# Altium PCB spd150.PcbDoc (part 6 of 16)
Units mm, origin at the board's own origin, x right, y up, seen from the top; angles counter-clockwise.
Board outline 217.35 x 147.5 mm, 10 copper layers (TOP, LYR2-PLN, LYR3-SIG, LYR4-SIG, LYR5-PLN, LYR6-PLN, LYR7-SIG, LYR8-SIG, LYR9-PLN, BOTTOM), stack 2.134 mm thick; 1065 components, 972 nets, 4226 pads, 2810 vias.
Unrouted connection lines stored in the file: 16.
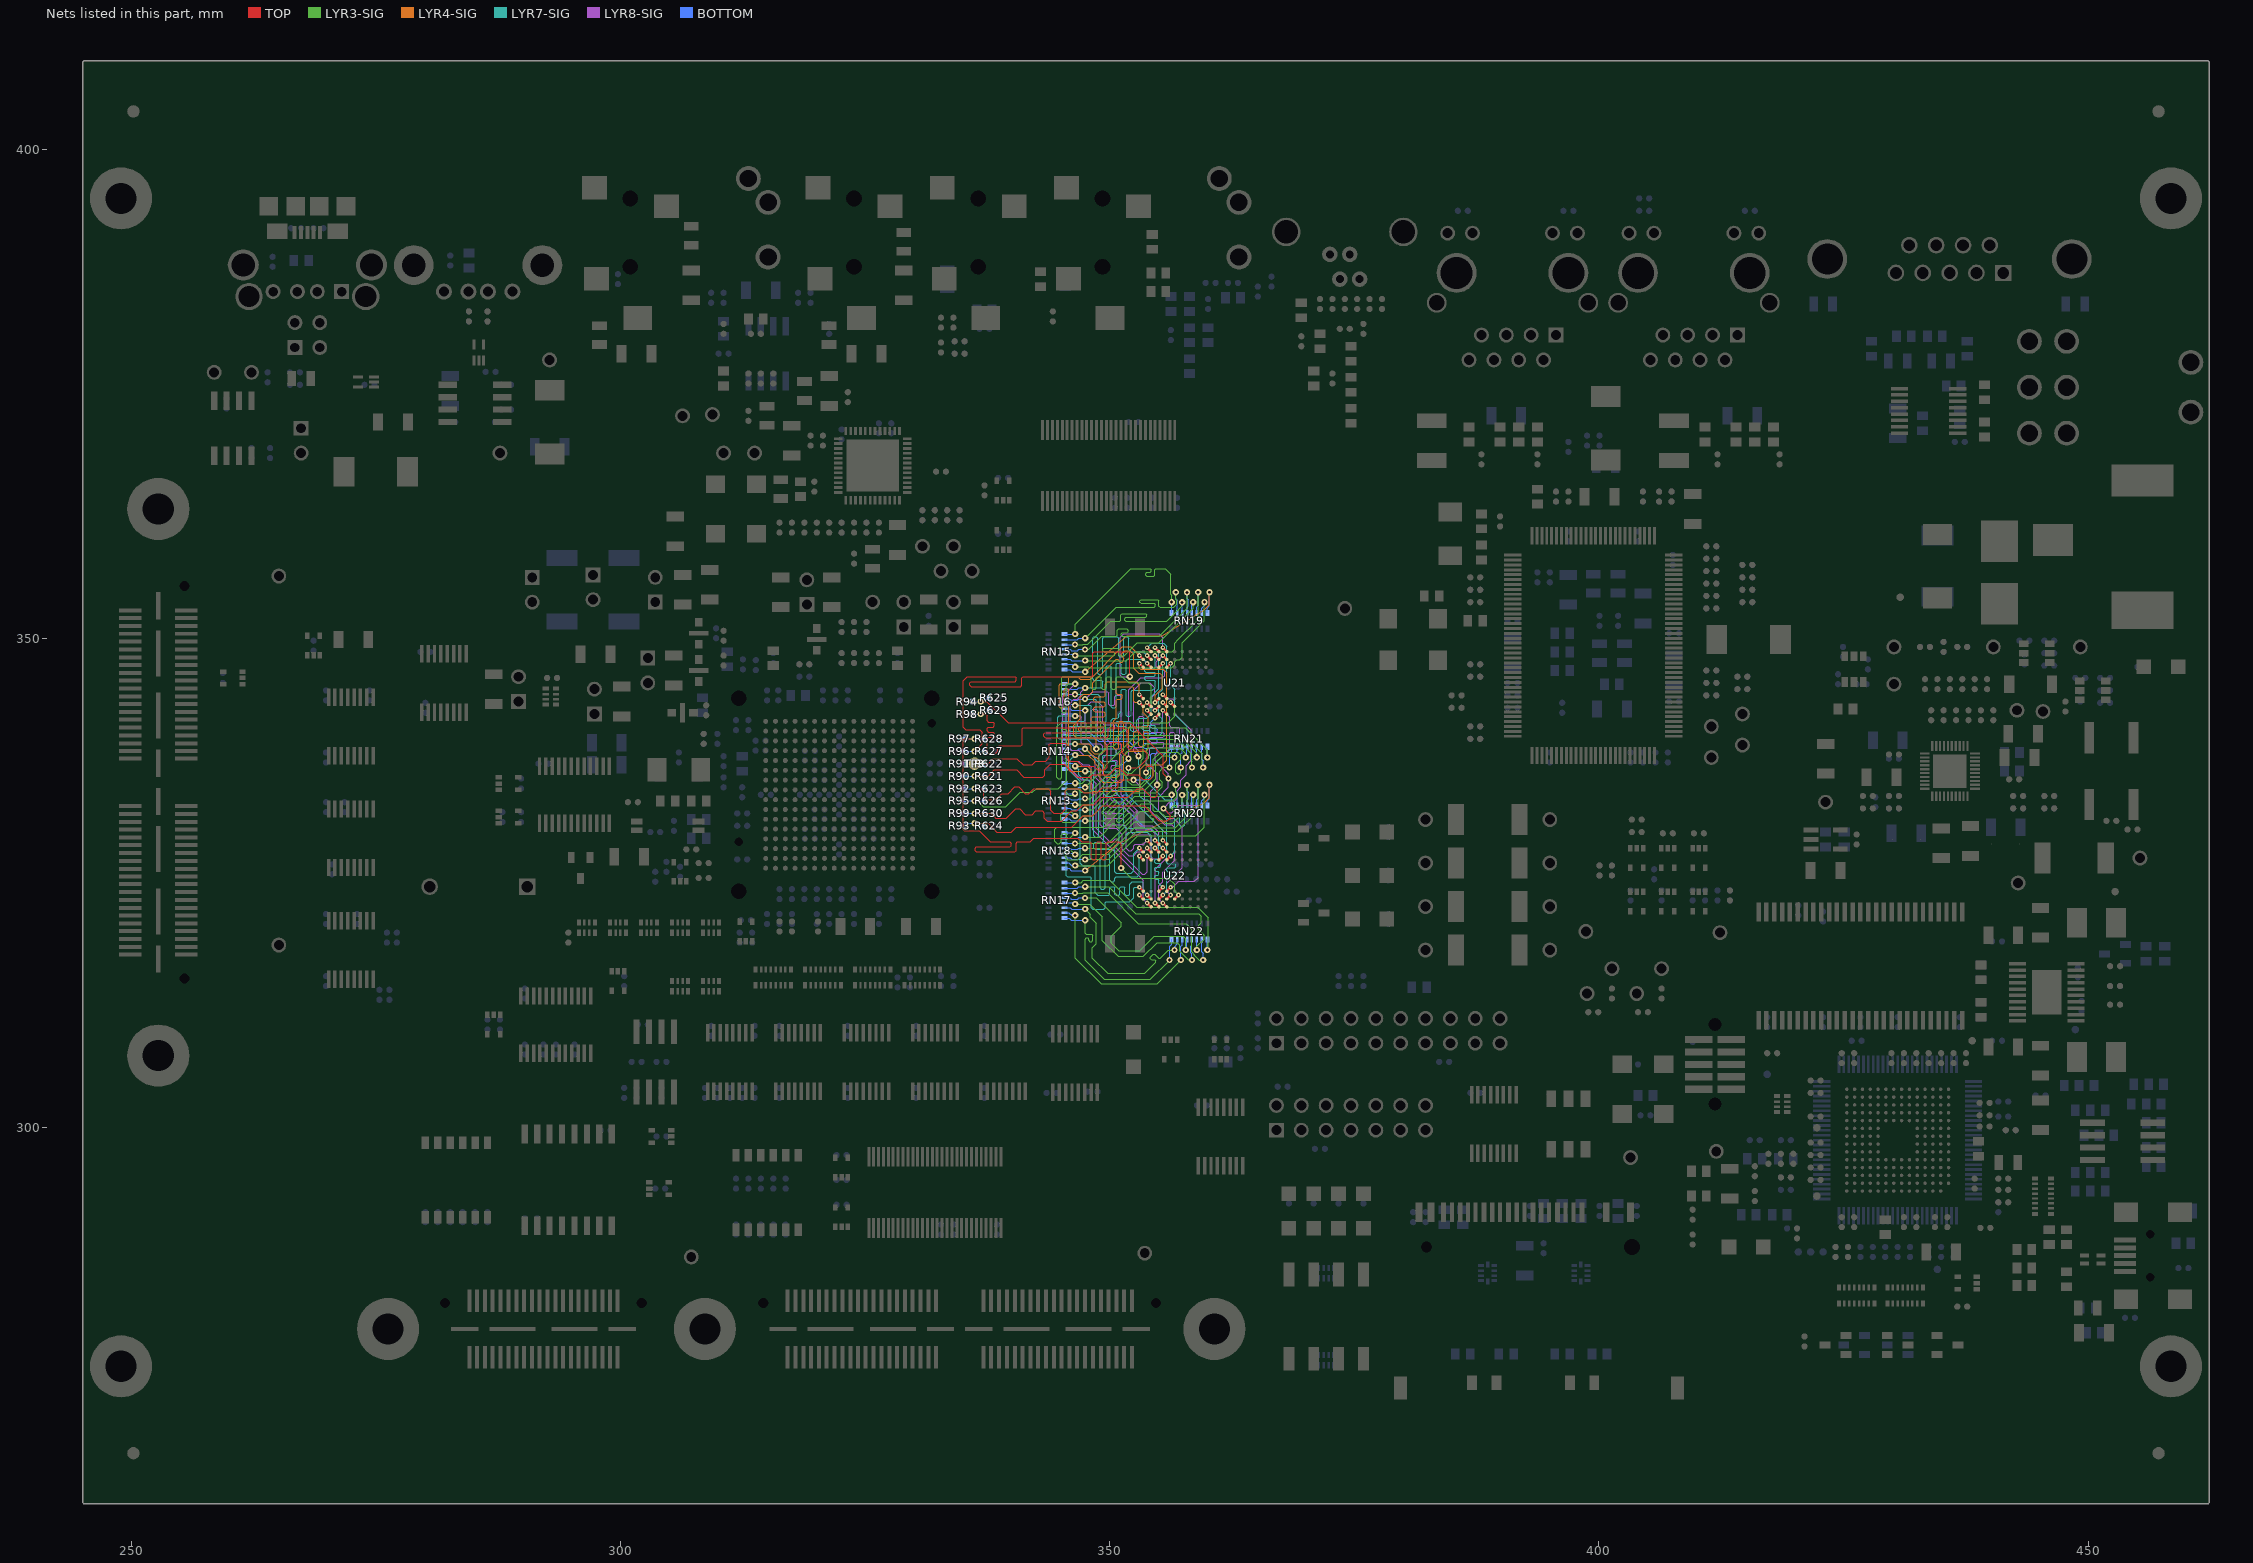
[diagram p14: the nets of this part, all layers, seen from the top]

## Via types
v1: diameter 0.635, hole 0.305, TOP to BOTTOM, 2018 vias
v2: diameter 0.483, hole 0.203, TOP to BOTTOM, 651 vias
v3: diameter 0.508, hole 0.254, TOP to BOTTOM, 120 vias
v4: diameter 0.559, hole 0.254, TOP to BOTTOM, 21 vias

## Nets (pads, with @x,y where several pads share a name; then routed paths per layer and width w, separated by ;. In a path a pad name is that pad's centre, name@x,y a point inside that pad or via, vN(x,y) a via of type N, cw(c..) or ccw(c..) an arc to the next point about the centre after c; other vN are vias at no path point) (continued)
EMIFB_A1: RN14.5 U21.H8 U22.H8 | length 55.8
  TOP w0.254: v2(353.817,323.756) U22.H8@354.218,323.355 ; v2(353.817,343.441) U21.H8@354.218,343.04
  LYR4-SIG w0.102: v2(353.817,343.441) 353.423,343.047 353.423,342.392 353.949,341.866 353.949,341.63
  LYR4-SIG w0.127: v1(346.459,338.074) 347.805,338.074 348.44,337.439 348.44,337.233 348.996,336.677 348.996,335.534 349.25,335.28 351.155,335.28 351.409,335.534 351.409,338.074 351.8,338.465 353.705,338.465 353.949,338.709 353.949,340.345 353.822,340.472 353.568,340.472 353.441,340.345 353.441,339.09 353.314,338.963 353.06,338.963 352.933,339.09 352.933,340.345 352.806,340.472 352.552,340.472 352.425,340.345 352.425,339.09 352.298,338.963 352.044,338.963 351.917,339.09 351.917,340.853 352.044,340.98 353.822,340.98 353.949,341.107 353.949,341.63
  LYR7-SIG w0.102: 352.425,325.12 353.284,325.12 353.411,324.993 353.411,324.134 353.789,323.756 v2(353.817,323.756)
  LYR7-SIG w0.127: v1(346.459,338.074) 345.951,337.566 345.951,336.42 346.967,335.404 346.967,333.84 346.961,333.835 346.961,333.21 346.967,333.205 346.967,328.76 346.961,328.755 346.961,328.13 346.967,328.125 346.967,327.703 346.964,327.701 346.964,327.025 347.218,326.771 348.361,326.771 348.488,326.644 348.488,323.977 348.742,323.723 349.885,323.723 350.012,323.85 350.012,324.485 350.139,324.612 350.393,324.612 350.52,324.485 350.52,323.85 350.647,323.723 350.901,323.723 351.028,323.85 351.028,324.485 351.155,324.612 351.409,324.612 351.536,324.485 351.536,323.85 351.663,323.723 351.917,323.723 352.044,323.85 352.044,324.866 352.298,325.12 352.425,325.12
  BOTTOM w0.127: RN14.5@345.366,338.206 346.326,338.206 v1(346.459,338.074)
EMIFB_A2: RN14.4 U21.J8 U22.J8 | length 54.9
  TOP w0.254: v2(353.017,323.756) U22.J8@353.418,323.355 ; v2(353.017,343.441) U21.J8@353.418,343.04
  LYR4-SIG w0.102: 352.425,344.932 352.425,343.568 352.552,343.441
  LYR4-SIG w0.127: v1(347.469,338.704) 347.541,338.704 347.853,338.392 348.046,338.196 348.422,337.82 348.615,337.82 349.377,337.058 349.377,336.042 349.631,335.788 350.774,335.788 351.028,336.042 351.028,338.201 351.409,338.582 351.409,341.376 351.282,341.503 351.028,341.503 350.901,341.376 350.901,338.836 350.774,338.709 350.52,338.709 350.393,338.836 350.393,341.584 350.647,341.838 350.647,343.649 350.774,343.776 351.155,343.776 351.282,343.903 351.282,344.157 351.155,344.284 350.774,344.284 350.647,344.411 350.647,344.932 350.774,345.059 352.298,345.059 352.425,344.932 ; 352.552,343.441 v2(353.017,343.441)
  LYR7-SIG w0.102: 352.425,330.2 353.822,330.2 354.211,329.811 354.211,323.591 353.969,323.35 353.423,323.35 v2(353.017,323.756)
  LYR7-SIG w0.127: v1(347.469,338.704) 349.377,336.796 349.377,336.479 349.504,336.352 350.012,336.352 350.139,336.225 350.139,335.971 350.012,335.844 349.504,335.844 349.377,335.717 349.377,335.463 349.504,335.336 350.012,335.336 350.139,335.209 350.139,334.955 350.012,334.828 349.504,334.828 349.377,334.701 349.377,334.137 349.631,333.883 350.139,333.883 350.964,333.058 350.964,329.184 351.091,329.057 351.536,329.057 351.663,329.184 351.663,329.946 351.917,330.2 352.425,330.2
  BOTTOM w0.127: RN14.4@345.366,338.704 345.951,338.704 346.072,338.582 346.713,338.582 346.834,338.704 v1(347.469,338.704)
EMIFB_A3: RN14.3 U21.J7 U22.J7 | length 55.8
  TOP w0.254: v2(353.017,324.556) U22.J7@353.418,324.155 ; v2(353.017,344.241) U21.J7@353.418,343.84
  LYR4-SIG w0.102: 352.425,345.567 352.679,345.567 353.017,345.229 v2(353.017,344.241)
  LYR4-SIG w0.127: v1(346.443,339.202) 346.453,339.212 347.858,339.212 348.107,338.963 348.107,338.501 348.229,338.376 348.404,338.201 349.123,338.201 349.504,338.582 349.504,340.327 349.377,340.454 346.964,340.454 346.837,340.581 346.837,340.835 346.964,340.962 349.377,340.962 349.504,341.089 349.504,341.343 349.377,341.47 348.234,341.47 348.107,341.597 348.107,341.851 348.234,341.978 349.377,341.978 349.504,342.105 349.504,342.359 349.377,342.486 348.488,342.486 348.361,342.613 348.361,342.867 348.488,342.994 349.377,342.994 349.504,343.121 349.504,343.375 349.377,343.502 348.488,343.502 348.361,343.629 348.361,343.883 348.488,344.01 349.377,344.01 349.504,344.137 349.504,345.313 349.758,345.567 352.425,345.567
  LYR7-SIG w0.102: 352.425,323.469 352.425,324.429 352.552,324.556 v2(353.017,324.556)
  LYR7-SIG w0.127: v1(346.443,339.202) 345.694,339.202 345.567,339.075 345.567,325.755 345.694,325.628 347.98,325.628 348.107,325.501 348.107,322.453 348.234,322.326 349.377,322.326 349.504,322.453 349.504,322.961 349.631,323.088 352.044,323.088 352.425,323.469
  BOTTOM w0.127: RN14.3@345.366,339.202 v1(346.443,339.202)
EMIFB_A4: RN14.7 U21.J3 U22.J3 | length 55.7
  TOP w0.254: v2(353.017,327.757) U22.J3@353.418,327.355 ; v2(353.017,347.442) U21.J3@353.418,347.04
  LYR4-SIG w0.102: v2(353.017,347.442) 353.017,346.964 353.144,346.837 355.473,346.837 355.811,346.499 355.811,341.63
  LYR4-SIG w0.127: v1(346.459,336.931) 347.746,336.931 348.107,336.57 348.107,334.518 348.234,334.391 352.996,334.391 353.123,334.518 353.123,336.613 353.568,337.058 355.346,337.058 355.811,337.523 355.811,341.63
  LYR7-SIG w0.102: 352.425,325.628 352.806,325.628 353.017,325.839 v2(353.017,327.757)
  LYR7-SIG w0.127: v1(346.459,336.931) 346.837,336.553 346.837,336.042 347.345,335.534 347.853,335.534 347.98,335.407 347.98,334.985 347.983,334.983 347.983,334.561 347.98,334.559 347.98,332.699 347.983,332.697 347.983,332.275 347.98,332.273 347.98,331.556 347.983,331.554 347.983,331.132 347.98,331.13 347.98,329.905 347.983,329.903 347.983,329.481 347.98,329.479 347.98,327.619 347.983,327.617 347.983,327.533 348.11,327.406 348.869,327.406 348.996,327.279 348.996,324.485 349.123,324.358 349.377,324.358 349.504,324.485 349.504,327.787 349.631,327.914 349.885,327.914 350.012,327.787 350.012,325.247 350.139,325.12 350.393,325.12 350.52,325.247 350.52,325.501 350.647,325.628 352.425,325.628
  BOTTOM w0.127: RN14.7@345.366,337.21 346.179,337.21 v1(346.459,336.931)
EMIFB_A5: RN14.8 U21.J2 U22.J2 | length 54.6
  TOP w0.254: v2(353.017,328.557) U22.J2@353.418,328.155 ; v2(353.017,348.242) U21.J2@353.418,347.84
  LYR4-SIG w0.102: 352.425,348.833 v2(353.017,348.242)
  LYR4-SIG w0.127: v1(347.475,336.423) 345.948,336.423 345.821,336.55 345.821,344.701 345.694,344.828 345.44,344.828 345.313,344.701 345.313,343.027 345.186,342.9 344.932,342.9 344.805,343.027 344.805,345.209 344.932,345.336 345.694,345.336 345.821,345.463 345.821,345.948 345.948,346.075 346.71,346.075 346.964,345.821 347.98,345.821 351.282,349.123 352.135,349.123 352.425,348.833
  LYR7-SIG w0.102: 352.425,326.263 352.425,327.965 v2(353.017,328.557)
  LYR7-SIG w0.127: v1(347.475,336.423) 348.107,336.423 348.361,336.169 348.361,329.804 348.488,329.677 348.742,329.677 348.869,329.804 348.869,332.74 348.996,332.867 349.25,332.867 349.377,332.74 349.377,329.296 349.25,329.169 348.488,329.169 348.361,329.042 348.361,328.549 348.488,328.422 350.393,328.422 350.52,328.295 350.52,326.136 350.647,326.009 352.171,326.009 352.425,326.263
  BOTTOM w0.127: RN14.8@345.366,336.636 345.951,336.636 346.164,336.423 v1(347.475,336.423)
EMIFB_A6: RN16.3 U21.H3 U22.H3 | length 55.8
  TOP w0.254: v2(353.817,327.757) U22.H3@354.218,327.355 ; v2(353.817,347.442) U21.H3@354.218,347.04
  LYR7-SIG w0.102: 352.425,347.848 353.411,347.848 v2(353.817,347.442)
  LYR7-SIG w0.127: v1(346.443,344.282) 346.453,344.292 348.747,344.292 348.996,344.043 348.996,341.503 349.123,341.376 349.504,341.376 349.631,341.503 349.631,347.091 349.758,347.218 350.012,347.218 350.139,347.091 350.139,343.027 350.266,342.9 350.52,342.9 350.647,343.027 350.647,347.345 350.774,347.472 351.028,347.472 351.155,347.345 351.155,346.456 351.282,346.329 351.536,346.329 351.663,346.456 351.663,347.721 351.79,347.848 352.425,347.848
  LYR8-SIG w0.102: 352.425,326.771 353.314,325.882 353.568,325.882 353.817,326.131 v2(353.817,327.757)
  LYR8-SIG w0.127: v1(346.443,344.282) 345.803,344.282 345.564,344.043 345.564,337.696 345.821,337.439 346.837,337.439 347.218,337.058 347.853,337.058 348.107,336.804 348.107,335.661 348.615,335.153 348.615,330.581 350.02,329.176 350.197,329.176 350.528,329.507 350.705,329.507 350.888,329.324 350.888,329.146 350.558,328.816 350.558,328.638 352.425,326.771
  BOTTOM w0.127: RN16.3@345.366,344.282 v1(346.443,344.282)
EMIFB_A7: RN16.2 U21.H2 U22.H2 | length 54.8
  TOP w0.254: v2(353.817,328.557) U22.H2@354.218,328.155 ; v2(353.817,348.242) U21.H2@354.218,347.84
  LYR7-SIG w0.102: 352.425,348.635 353.423,348.635 v2(353.817,348.242)
  LYR7-SIG w0.127: v1(347.475,344.932) 349.123,344.932 349.25,345.059 349.25,345.613 349.123,345.74 348.361,345.74 348.234,345.867 348.234,350.012 348.361,350.139 348.615,350.139 348.742,350.012 348.742,346.456 348.869,346.329 349.123,346.329 349.25,346.456 349.25,350.012 349.377,350.139 350.774,350.139 350.901,350.012 350.901,348.234 351.028,348.107 351.282,348.107 351.409,348.234 351.409,350.012 351.536,350.139 351.79,350.139 351.917,350.012 351.917,348.869 352.151,348.635 352.425,348.635
  LYR8-SIG w0.102: 352.425,327.787 352.801,328.163 353.423,328.163 v2(353.817,328.557)
  LYR8-SIG w0.127: v1(347.475,344.932) 347.007,344.465 347.007,344.127 346.654,343.774 346.329,343.774 345.935,343.38 345.935,341.554 346.062,341.427 346.583,341.427 346.71,341.3 346.71,341.046 346.583,340.919 346.062,340.919 345.935,340.792 345.935,338.709 346.062,338.582 346.837,338.582 347.345,338.074 348.234,338.074 348.488,337.82 348.488,335.788 348.996,335.28 348.996,330.962 349.377,330.581 350.647,330.581 351.282,329.946 351.282,328.422 351.917,327.787 352.425,327.787
  BOTTOM w0.127: RN16.2@345.366,344.78 345.376,344.79 346.654,344.79 346.796,344.932 v1(347.475,344.932)
EMIFB_A8: RN16.7 U21.H1 U22.H1 | length 55.9
  TOP w0.254: v2(353.817,329.357) U22.H1@354.218,328.955 ; v2(353.817,349.042) U21.H1@354.218,348.64
  LYR7-SIG w0.102: v2(353.817,349.042) 354.279,349.504 355.514,349.504 355.811,349.207 355.811,341.63
  LYR7-SIG w0.127: v1(346.459,342.062) 344.805,342.062 344.678,341.935 344.678,339.852 344.805,339.725 355.684,339.725 355.811,339.852 355.811,341.63
  LYR8-SIG w0.102: 352.425,328.549 352.425,328.803 352.585,328.963 353.423,328.963 v2(353.817,329.357)
  LYR8-SIG w0.127: v1(346.459,342.062) 346.964,342.062 347.091,341.935 347.091,340.517 347.218,340.39 347.98,340.39 348.107,340.263 348.107,340.009 347.98,339.882 347.218,339.882 347.091,339.755 347.091,339.344 347.218,339.217 348.996,339.217 349.25,338.963 349.25,338.328 348.869,337.947 348.869,335.915 349.377,335.407 349.377,332.232 349.504,332.105 351.282,332.105 351.409,331.978 351.409,331.724 351.282,331.597 349.504,331.597 349.377,331.47 349.377,331.216 349.631,330.962 351.409,330.962 351.663,330.708 351.663,328.549 351.917,328.295 352.171,328.295 352.425,328.549
  BOTTOM w0.127: RN16.7@345.366,342.29 346.23,342.29 v1(346.459,342.062)
EMIFB_A9: RN16.6 U21.G3 U22.G3 | length 54.7
  TOP w0.254: U22.G3@355.018,327.355 v2(355.417,327.757) ; U21.G3@355.018,347.04 v2(355.417,347.442)
  LYR7-SIG w0.102: 355.346,341.63 355.346,341.757 355.023,342.08 355.023,344.424 355.417,344.818 v2(355.417,347.442)
  LYR7-SIG w0.127: v1(347.475,342.646) 347.472,342.643 347.472,341.63 347.345,341.503 345.186,341.503 345.059,341.376 345.059,340.36 345.313,340.106 354.025,340.106 354.152,340.233 354.152,340.487 354.025,340.614 353.441,340.614 353.314,340.741 353.314,340.995 353.441,341.122 354.533,341.122 354.66,340.995 354.66,340.233 354.787,340.106 355.092,340.106 355.346,340.36 355.346,341.63
  LYR8-SIG w0.102: 352.425,329.946 353.957,329.946 354.211,329.692 354.211,327.66 354.396,327.475 355.135,327.475 v2(355.417,327.757)
  LYR8-SIG w0.127: v1(347.475,342.646) 347.475,340.995 347.602,340.868 347.98,340.868 348.107,340.995 348.107,342.646 348.234,342.773 348.615,342.773 348.742,342.646 348.742,339.852 348.869,339.725 349.123,339.725 349.758,339.09 349.758,338.201 349.25,337.693 349.25,336.169 349.758,335.661 349.758,332.994 350.012,332.74 351.409,332.74 352.171,331.978 352.171,330.2 352.425,329.946
  BOTTOM w0.127: RN16.6@345.366,342.788 345.951,342.788 346.093,342.646 v1(347.475,342.646)
EMIFB_A10: RN16.1 U21.H9 U22.H9 | length 55.8
  TOP w0.254: v2(353.817,322.956) U22.H9@354.218,322.555 ; v2(353.817,342.641) U21.H9@354.218,342.24
  LYR3-SIG w0.102: 352.425,345.44 353.949,345.44 354.211,345.178 354.211,343.035 v2(353.817,342.641)
  LYR3-SIG w0.127: v1(346.459,345.354) 345.694,345.354 345.567,345.227 345.567,342.519 345.44,342.392 345.186,342.392 345.059,342.519 345.059,345.948 345.186,346.075 347.983,346.075 348.11,345.948 348.11,344.932 348.237,344.805 348.491,344.805 348.618,344.932 348.618,345.948 348.745,346.075 348.999,346.075 349.126,345.948 349.126,344.932 349.253,344.805 349.507,344.805 349.634,344.932 349.634,345.948 349.761,346.075 350.015,346.075 350.142,345.948 350.142,344.932 350.269,344.805 350.523,344.805 350.65,344.932 350.65,345.948 350.777,346.075 351.282,346.075 351.917,345.44 352.425,345.44
  LYR8-SIG w0.102: 352.425,326.245 353.423,325.247 353.423,323.35 v2(353.817,322.956)
  LYR8-SIG w0.127: v1(346.459,345.354) 345.186,344.081 345.186,337.439 347.091,335.534 347.726,335.534 348.234,335.026 348.234,330.436 352.425,326.245
  BOTTOM w0.127: RN16.1@345.366,345.354 v1(346.459,345.354)
EMIFB_A11: RN16.4 U21.G2 U22.G2 | length 54.6
  TOP w0.254: v2(354.617,328.557) U22.G2@355.018,328.155 ; v2(354.617,348.242) U21.G2@355.018,347.84
  LYR7-SIG w0.102: 352.425,344.678 354.33,344.678 354.617,344.965 354.617,345.625 354.515,345.727 353.67,345.727 353.568,345.829 353.568,346.032 353.67,346.133 354.515,346.133 354.617,346.235 354.617,346.438 354.515,346.54 353.67,346.54 353.568,346.641 353.568,346.845 353.67,346.946 354.515,346.946 354.617,347.048 v2(354.617,348.242)
  LYR7-SIG w0.127: v1(347.469,343.784) 348.488,343.784 348.615,343.657 348.615,340.995 348.742,340.868 350.012,340.868 350.139,340.995 350.139,341.63 350.329,341.82 350.774,341.82 350.901,341.947 350.901,342.265 351.155,342.519 351.155,344.678 351.282,344.805 351.536,344.805 351.663,344.678 351.663,342.138 351.79,342.011 352.044,342.011 352.171,342.138 352.171,344.551 352.298,344.678 352.425,344.678
  LYR8-SIG w0.102: v2(354.617,328.557) 355.011,328.95 355.011,330.154
  LYR8-SIG w0.127: v1(347.469,343.784) 348.237,344.551 349.758,344.551 349.885,344.424 349.885,343.281 350.012,343.154 350.393,343.154 350.52,343.281 350.52,344.043 350.647,344.17 351.028,344.17 351.155,344.043 351.155,339.837 351.028,339.71 350.774,339.71 350.647,339.583 350.647,339.329 350.774,339.202 351.028,339.202 351.155,339.075 351.155,338.821 351.028,338.694 350.774,338.694 350.647,338.567 350.647,338.313 350.774,338.186 351.028,338.186 351.155,338.059 351.155,334.01 352.806,332.359 352.806,331.089 353.06,330.835 354.33,330.835 355.011,330.154
  BOTTOM w0.127: RN16.4@345.366,343.784 345.951,343.784 346.072,343.662 346.713,343.662 346.834,343.784 v1(347.469,343.784)
EMIFB_A12: RN16.5 U21.G1 U22.G1 | length 55.8
  TOP w0.254: v2(354.617,329.357) U22.G1@355.018,328.955 ; v2(354.617,349.042) U21.G1@355.018,348.64
  LYR7-SIG w0.102: 352.743,341.63 352.933,341.82 353.758,341.82 354.211,342.273 354.211,344.043 355.011,344.843 355.011,348.648 v2(354.617,349.042)
  LYR7-SIG w0.127: v1(346.459,343.154) 347.98,343.154 348.107,343.027 348.107,341.122 347.98,340.995 345.948,340.995 345.821,340.868 345.821,340.614 345.948,340.487 351.508,340.487 351.635,340.614 351.635,340.868 351.508,340.995 350.774,340.995 350.647,341.122 350.647,341.376 350.774,341.503 352.016,341.503 352.143,341.376 352.143,340.614 352.27,340.487 352.615,340.487 352.743,340.614 352.743,341.63
  LYR8-SIG w0.102: v2(354.617,329.357) 354.617,330.04
  LYR8-SIG w0.127: v1(346.459,343.154) 347.726,343.154 348.107,343.535 348.742,343.535 349.25,343.027 349.25,341.295 349.377,341.168 350.393,341.168 350.52,341.041 350.52,340.787 350.393,340.66 349.377,340.66 349.25,340.533 349.25,340.106 350.139,339.217 350.139,337.64 350.266,337.513 350.647,337.513 350.774,337.386 350.774,337.132 350.647,337.005 350.266,337.005 350.139,336.878 350.139,336.624 350.266,336.497 350.647,336.497 350.774,336.37 350.774,336.116 350.647,335.989 350.266,335.989 350.139,335.862 350.139,335.608 350.266,335.481 350.647,335.481 350.774,335.354 350.774,335.1 350.647,334.973 350.266,334.973 350.139,334.846 350.139,334.592 350.266,334.465 350.647,334.465 350.774,334.338 350.774,334.084 350.647,333.957 350.266,333.957 350.139,333.83 350.139,333.502 350.329,333.311 351.345,333.311 352.488,332.168 352.488,330.644 352.679,330.454 354.203,330.454 354.617,330.04
  BOTTOM w0.127: RN16.5@345.366,343.286 345.503,343.286 345.509,343.281 346.332,343.281 v1(346.459,343.154)
EMIFB_BA0: RN14.2 U21.G7 U22.G7 | length 53.4
  TOP w0.254: v2(354.617,343.441) U21.G7@355.018,343.84 ; U22.G7@355.018,324.155 v2(355.417,324.556)
  LYR4-SIG w0.102: 352.425,348.361 352.425,346.964 352.933,346.456 355.092,346.456 355.346,346.202 355.346,344.899 354.617,344.17 v2(354.617,343.441)
  LYR4-SIG w0.127: v1(348.615,338.709) 348.615,339.598 348.361,339.852 346.583,339.852 346.329,340.106 346.329,341.122 346.967,341.76 346.967,343.365 346.961,343.37 346.961,343.995 347.259,344.292 347.975,344.292 348.234,344.551 348.234,345.44 350.639,347.845 350.817,347.845 351.084,347.579 351.262,347.579 351.445,347.762 351.445,347.939 351.178,348.206 351.178,348.384 351.536,348.742 352.044,348.742 352.425,348.361
  LYR7-SIG w0.102: 354.584,330.2 355.023,329.761 355.023,327.528 354.922,327.426 354.686,327.426 354.584,327.325 354.584,327.122 354.686,327.02 355.1,327.02 355.219,326.901 355.219,326.733 355.1,326.614 354.686,326.614 354.584,326.512 354.584,326.309 354.686,326.207 354.922,326.207 355.023,326.106 355.023,325.902 354.922,325.801 354.686,325.801 354.584,325.699 354.584,325.496 354.686,325.394 354.922,325.394 355.023,325.293 355.023,324.95 v2(355.417,324.556)
  LYR7-SIG w0.127: v1(348.615,338.709) 350.52,338.709 350.647,338.582 350.647,338.201 350.52,338.074 349.377,338.074 349.25,337.947 349.25,337.566 349.377,337.439 350.457,337.439 350.583,337.312 350.583,334.2 351.409,333.375 351.409,330.835 351.663,330.581 354.203,330.581 354.584,330.2
  BOTTOM w0.127: RN14.2@345.366,339.7 345.376,339.71 347.614,339.71 v1(348.615,338.709)
EMIFB_BA1: RN14.1 U21.G8 U22.G8 | length 48.1
  TOP w0.254: v2(354.617,342.641) U21.G8@355.018,343.04 ; U22.G8@355.018,323.355 v2(355.417,323.756)
  LYR7-SIG w0.102: v2(355.417,323.756) 355.811,324.15 355.811,325.613 355.912,325.714 356.641,325.714 356.743,325.816 356.743,326.019 356.641,326.121 355.912,326.121 355.811,326.222 355.811,326.426 355.912,326.527 356.641,326.527 356.743,326.629 356.743,326.832 356.641,326.934 355.912,326.934 355.811,327.035 355.811,330.2
  LYR7-SIG w0.127: v1(352.93,337.957) 352.93,337.061 353.06,336.931 353.06,333.883 353.441,333.502 353.822,333.502 355.811,331.513 355.811,330.2
  LYR8-SIG w0.102: 352.425,342.011 352.425,344.678 353.187,345.44 354.076,345.44 354.584,344.932 354.584,344.289 354.211,343.916 354.211,343.047 v2(354.617,342.641)
  LYR8-SIG w0.127: 352.425,342.011 352.425,339.479 352.552,339.352 352.806,339.352 352.933,339.479 352.933,341.884 353.06,342.011 353.314,342.011 353.441,341.884 353.441,338.971 353.314,338.844 352.552,338.844 352.425,338.717 352.425,338.463 v1(352.93,337.957)
  BOTTOM w0.127: RN14.1@345.366,340.274 348.066,340.274 348.869,339.471 351.917,339.471 352.943,338.445 352.943,337.97 v1(352.93,337.957)
EMIFB_CASN: R93.1 R624.2 U21.F7 U22.F7 | length 55.9
  TOP w0.127: v1(336.169,331.089) 337.566,331.089 338.455,330.2 339.936,330.2 340.444,330.708 346.121,330.708 347.264,331.851 348.234,331.851 349.25,332.867 353.492,332.867 354.99,331.368 355.879,331.368 356.184,331.673 356.184,331.925 v1(355.496,332.613)
  TOP w0.254: v2(355.417,344.241) U21.F7@355.818,343.84 ; U22.F7@355.818,324.155 v2(356.217,324.556)
  LYR8-SIG w0.102: v2(355.417,344.241) 355.824,343.835 356.382,343.835 356.624,343.593 356.624,342.316 357.309,341.63 ; v2(356.217,324.556) 356.433,324.556 357.022,325.145 358.623,325.145 359.011,325.534 359.011,330.2
  LYR8-SIG w0.127: 357.309,341.63 358.343,340.596 358.343,337.515 357.81,336.982 357.81,336.067 357.251,335.509 357.251,334.815 356.87,334.434 356.87,333.629 356.616,333.375 356.235,333.375 355.496,332.636 v1(355.496,332.613) 355.928,332.181 356.337,332.181 357.073,332.918 358.826,332.918 359.011,332.732 359.011,330.2
  BOTTOM w0.127: R93.1@335.153,330.835 335.407,331.089 v1(336.169,331.089) 336.931,331.089 R624.2@337.185,330.835
EMIFB_CLK: R91.1 R622.2 TP3.1 U21.F2 U22.F2 | length 55.6
  TOP w0.127: TP3.1@336.169,337.185 337.566,337.185 338.074,337.693 340.487,337.693 341.122,337.058 342.057,337.058 342.438,337.439 343.433,337.439 343.814,337.82 343.814,339.166 343.941,339.293 345.516,339.293 345.643,339.166 345.643,337.769 345.973,337.439 346.669,337.439 347.177,336.931 348.361,336.931 348.742,336.55 349.479,336.55 349.758,336.829 349.758,339.065 350.088,339.395 350.952,339.395 351.231,339.115 351.231,338.379 v1(351.917,337.693)
  TOP w0.254: v2(355.417,328.557) U22.F2@355.818,328.155 ; v2(355.417,348.242) U21.F2@355.818,347.84
  LYR8-SIG w0.102: 352.425,345.25 353.167,345.991 355.415,345.991 355.6,346.177 355.6,346.634 355.397,346.837 355.016,346.837 354.762,347.091 354.762,347.586 v2(355.417,348.242)
  LYR8-SIG w0.127: v1(351.917,337.693) 351.917,340.284 351.688,340.512 351.688,341.325 351.917,341.554 351.917,344.741 352.425,345.25
  BOTTOM w0.102: 354.566,330.2 355.023,329.743 355.023,328.95 v2(355.417,328.557)
  BOTTOM w0.127: R91.1@335.153,337.185 TP3.1@336.169,337.185 R622.2@337.185,337.185 ; v1(351.917,337.693) 351.282,337.058 351.282,334.63 351.409,334.503 352.171,334.503 352.298,334.376 352.298,333.4 352.171,333.273 351.917,333.273 351.79,333.4 351.79,333.868 351.663,333.995 351.409,333.995 351.282,333.868 351.282,332.918 353.72,330.479 354.287,330.479 354.566,330.2
EMIFB_CS0N: R92.1 R623.2 U21.G9 U22.G9 | length 55.4
  TOP w0.127: v1(336.169,334.645) 336.906,334.645 337.134,334.416 337.134,333.68 337.337,333.477 338.277,333.477 338.938,334.137 339.598,334.137 340.284,334.823 340.665,334.823 341.351,334.137 341.716,334.137 342.224,334.645 343.713,334.645 343.967,334.391 343.967,332.41 344.246,332.13 345.059,332.13 345.465,332.537 345.465,334.391 345.719,334.645 346.883,334.645 347.325,334.203 348.706,334.203 349.225,334.721 350.749,334.721 350.876,334.848 350.876,335.331 351.079,335.534 v1(352.425,335.534)
  TOP w0.254: v2(354.617,322.956) U22.G9@355.018,322.555 ; v2(354.617,341.841) U21.G9@355.018,342.24
  LYR8-SIG w0.102: v2(354.617,322.956) 354.617,326.398 355.811,327.591 355.811,330.007 355.618,330.2
  LYR8-SIG w0.127: v1(352.425,335.534) 353.543,334.416 353.543,332.275 355.618,330.2
  BOTTOM w0.102: 354.406,341.63 v2(354.617,341.841)
  BOTTOM w0.127: R92.1@335.153,334.645 v1(336.169,334.645) R623.2@337.185,334.645 ; v1(352.425,335.534) 353.822,335.534 354.203,335.915 354.203,338.125 354.33,338.252 354.736,338.252 354.863,338.379 354.863,338.633 354.736,338.76 353.543,338.76 353.416,338.887 353.416,339.141 353.543,339.268 354.736,339.268 354.863,339.395 354.863,339.649 354.736,339.776 353.568,339.776 353.441,339.903 353.441,340.157 353.568,340.284 354.736,340.284 354.863,340.411 354.863,340.665 354.736,340.792 354.33,340.792 354.203,340.919 354.203,341.427 354.406,341.63
EMIFB_D0: RN13.1 RN21.9 | length 20.8
  LYR3-SIG w0.127: v1(346.459,335.194) 347.19,335.194 348.91,336.913 348.91,338.099 349.773,338.963 350.35,338.963 350.647,339.26 350.647,339.837 351.678,340.868 357.695,340.868 359.959,338.605 v1(359.959,337.82)
  BOTTOM w0.127: RN13.1@345.366,335.194 v1(346.459,335.194) ; v1(359.959,337.82) RN21.9@359.959,338.912
EMIFB_D1: RN13.2 RN21.10 | length 20.8
  LYR3-SIG w0.127: v1(347.475,334.772) 349.532,336.829 349.532,336.954 352.679,340.101 357.558,340.101 359.451,338.209 359.451,336.89 v1(359.537,336.804)
  BOTTOM w0.127: RN13.2@345.366,334.62 345.376,334.63 346.654,334.63 346.796,334.772 v1(347.475,334.772) ; RN21.10@359.385,338.912 359.395,338.902 359.395,337.624 359.537,337.482 v1(359.537,336.804)
EMIFB_D2: RN13.3 RN21.11 | length 20.8
  LYR3-SIG w0.127: v1(346.443,334.122) 346.258,333.936 345.801,333.936 345.506,334.231 345.506,334.515 345.651,334.66 346.68,334.66 347.086,334.254 348,334.254 350.723,336.977 351.031,336.977 351.282,337.228 351.282,337.82 353.129,339.667 357.464,339.667 358.887,338.244 v1(358.887,337.835)
  BOTTOM w0.127: RN13.3@345.366,334.122 v1(346.443,334.122) ; v1(358.887,337.835) RN21.11@358.887,338.912
EMIFB_D3: RN13.4 RN21.12 | length 20.6
  LYR3-SIG w0.127: v1(347.469,333.624) 347.975,333.624 350.82,336.469 351.48,336.469 351.757,336.194 352.222,336.194 353.23,337.203 353.23,337.538 353.438,337.746 353.438,338.935 353.72,339.217 357.327,339.217 358.379,338.165 358.379,337.624 358.394,337.609 358.394,336.814 v1(358.389,336.809)
  BOTTOM w0.127: RN13.4@345.366,333.624 345.951,333.624 346.072,333.502 346.713,333.502 346.834,333.624 v1(347.469,333.624) ; v1(358.389,336.809) 358.389,337.444 358.267,337.566 358.267,338.206 358.389,338.328 RN21.12@358.389,338.912
EMIFB_D4: RN13.5 RN21.13 | length 20.3
  LYR3-SIG w0.127: v1(346.459,332.994) 348.056,332.994 350.723,335.661 350.723,335.94 350.926,336.144 351.358,336.144 351.833,335.669 351.833,335.407 352.214,335.026 353.144,335.026 354.203,336.085 354.203,336.575 353.695,337.083 353.695,337.49 353.974,337.769 353.974,338.125 353.695,338.404 353.695,338.607 353.924,338.836 357.124,338.836 357.759,338.201 v1(357.759,337.82)
  BOTTOM w0.127: RN13.5@345.366,333.126 345.503,333.126 345.509,333.121 346.332,333.121 v1(346.459,332.994) ; v1(357.759,337.82) 357.886,337.947 357.886,338.77 357.891,338.775 RN21.13@357.891,338.912
EMIFB_D5: RN13.6 RN21.14 | length 20.8
  LYR3-SIG w0.127: v1(347.475,332.486) 348.234,332.486 350.52,334.772 353.25,334.772 354.457,335.978 354.457,337.617 355.211,338.371 356.954,338.371 357.251,338.074 357.251,337.65 356.718,337.116 356.718,336.329 356.908,336.139 357.114,336.139 357.251,336.276 v1(357.251,336.804)
  BOTTOM w0.127: RN13.6@345.366,332.628 345.951,332.628 346.093,332.486 v1(347.475,332.486) ; v1(357.251,336.804) 357.251,338.186 357.393,338.328 RN21.14@357.393,338.912
EMIFB_D6: RN13.7 RN21.15 | length 20.3
  LYR3-SIG w0.127: v1(346.459,331.851) 346.105,332.204 345.191,332.204 344.957,331.97 344.957,331.427 345.199,331.186 346.565,331.186 347.231,331.851 348.234,331.851 350.901,334.518 353.593,334.518 354.714,335.638 354.714,337.315 355.397,337.998 355.981,337.998 356.159,337.82 v1(356.616,337.82)
  BOTTOM w0.127: RN13.7@345.366,332.13 345.824,332.13 346.103,331.851 v1(346.459,331.851) ; v1(356.616,337.82) 356.616,338.176 356.895,338.455 RN21.15@356.895,338.912
EMIFB_D7: RN13.8 RN21.16 | length 20.8
  LYR3-SIG w0.127: v1(347.475,331.343) 349.405,331.343 349.628,331.567 349.628,331.724 349.242,332.11 349.242,332.268 350.446,333.469 350.604,333.469 350.716,333.357 350.716,333.2 349.786,332.268 349.786,332.11 349.9,331.996 350.058,331.996 352.298,334.236 354.759,334.236 355.041,334.518 355.049,334.518 355.346,334.815 355.346,335.28 355.092,335.534 355.092,336.423 355.473,336.804 v1(356.108,336.804)
  BOTTOM w0.127: RN13.8@345.366,331.556 345.859,331.556 346.072,331.343 v1(347.475,331.343) ; v1(356.108,336.804) 356.108,338.206 356.321,338.419 RN21.16@356.321,338.912
EMIFB_D8: RN15.1 RN19.9 | length 20.7
  LYR3-SIG w0.127: v1(346.459,350.434) 346.459,351.427 352.151,357.119 354.112,357.119 354.223,357.007 354.223,356.85 354.112,356.738 353.786,356.738 353.675,356.626 353.675,356.469 353.786,356.357 354.493,356.357 354.604,356.469 354.604,357.007 354.716,357.119 355.666,357.119 356.235,356.55 356.235,354.5 356.321,354.414 v1(356.321,353.695)
  BOTTOM w0.127: RN15.1@345.366,350.434 v1(346.459,350.434) ; RN19.9@356.321,352.603 v1(356.321,353.695)
EMIFB_D9: RN15.2 RN19.10 | length 20.7
  LYR3-SIG w0.127: v1(347.475,350.012) 350.65,353.187 354.531,353.187 354.642,353.299 354.642,353.456 354.531,353.568 353.19,353.568 353.078,353.68 353.078,353.837 353.19,353.949 354.912,353.949 355.023,353.837 355.023,353.299 355.135,353.187 356.532,353.187 356.829,353.484 356.829,353.906 356.743,353.992 v1(356.743,354.711)
  BOTTOM w0.127: RN15.2@345.366,349.86 345.376,349.87 346.654,349.87 346.796,350.012 v1(347.475,350.012) ; v1(356.743,354.711) 356.743,354.033 356.885,353.891 356.885,352.613 RN19.10@356.895,352.603
EMIFB_D10: RN15.3 RN19.11 | length 20.8
  LYR3-SIG w0.127: v1(346.443,349.362) 347.246,349.362 347.261,349.377 347.726,349.377 350.098,351.749 351.023,351.749 351.135,351.861 351.135,352.4 351.246,352.511 353.675,352.511 353.786,352.4 353.786,352.242 353.675,352.13 351.627,352.13 351.516,352.019 351.516,351.861 351.627,351.749 355.813,351.749 357.393,353.329 v1(357.393,353.68)
  BOTTOM w0.127: RN15.3@345.366,349.362 v1(346.443,349.362) ; RN19.11@357.393,352.603 v1(357.393,353.68)
EMIFB_D11: RN15.4 RN19.12 | length 20.8
  LYR3-SIG w0.127: v1(347.472,348.869) 347.853,348.869 349.184,350.2 350.67,350.2 350.782,350.312 350.782,350.85 350.893,350.962 351.752,350.962 351.864,350.85 351.864,350.693 351.752,350.581 351.274,350.581 351.163,350.469 351.163,350.312 351.274,350.2 355.026,350.2 357.901,353.075 357.901,353.891 357.891,353.901 v1(357.891,354.706)
  BOTTOM w0.127: RN15.4@345.366,348.864 345.951,348.864 346.072,348.742 346.713,348.742 346.834,348.864 347.467,348.864 v1(347.472,348.869) ; RN19.12@357.891,352.603 357.891,353.187 358.013,353.309 358.013,353.949 357.891,354.071 v1(357.891,354.706)
EMIFB_D12: RN15.5 RN19.13 | length 20.6
  LYR3-SIG w0.127: v1(346.459,348.234) 350.396,348.234 350.507,348.346 350.507,348.503 350.396,348.615 349.387,348.615 349.275,348.727 349.275,348.884 349.387,348.996 350.777,348.996 350.888,348.884 350.888,348.346 351,348.234 351.465,348.234 352.791,349.56 355.021,349.56 358.521,353.06 v1(358.521,353.695)
  BOTTOM w0.127: RN15.5@345.366,348.366 345.503,348.366 345.509,348.361 346.332,348.361 v1(346.459,348.234) ; RN19.13@358.389,352.603 358.389,352.74 358.394,352.745 358.394,353.568 v1(358.521,353.695)
EMIFB_D13: RN15.6 RN19.14 | length 20.8
  LYR3-SIG w0.102: 352.425,348.485 352.588,348.648 356.382,348.648 356.611,348.877 356.611,349.489 357.007,349.885
  LYR3-SIG w0.127: v1(347.475,347.726) 351.666,347.726 352.425,348.485 ; 357.007,349.885 359.029,351.907 v1(359.029,354.711)
  BOTTOM w0.127: RN15.6@345.366,347.868 345.951,347.868 346.093,347.726 v1(347.475,347.726) ; RN19.14@358.887,352.603 358.887,353.187 359.029,353.329 v1(359.029,354.711)
EMIFB_D14: RN15.7 RN19.15 | length 20.6
  LYR3-SIG w0.102: 354.076,347.017 356.352,347.017 356.611,347.276 356.611,347.594 356.852,347.835 357.17,347.835 357.424,348.089 357.424,349.534 357.774,349.885
  LYR3-SIG w0.127: v1(346.459,347.091) 347.772,347.091 347.845,347.017 354.076,347.017 ; 357.774,349.885 359.664,351.775 v1(359.664,353.695)
  BOTTOM w0.127: RN15.7@345.366,347.37 345.91,347.37 345.935,347.345 346.205,347.345 v1(346.459,347.091) ; RN19.15@359.385,352.603 359.385,353.06 359.664,353.339 v1(359.664,353.695)
EMIFB_D15: RN15.8 RN19.16 | length 20.7
  LYR4-SIG w0.127: v1(347.475,346.583) 347.477,346.586 351.79,350.266 355.346,350.266 359.593,352.862 360.175,353.444 360.175,354.708 v1(360.172,354.711)
  BOTTOM w0.127: RN15.8@345.366,346.796 345.951,346.796 346.164,346.583 v1(347.475,346.583) ; RN19.16@359.959,352.603 359.959,353.096 360.172,353.309 v1(360.172,354.711)
EMIFB_D16: RN17.1 RN22.9 | length 20.8
  LYR3-SIG w0.127: v1(346.459,325.034) 347.091,325.034 347.304,325.247 350.012,325.247 352.763,322.496 358.981,322.496 360.045,321.432 360.045,318.178 360.002,318.135 v1(359.959,318.135)
  BOTTOM w0.127: RN17.1@345.366,325.034 v1(346.459,325.034) ; v1(359.959,318.135) RN22.9@359.959,319.227
EMIFB_D17: RN17.2 RN22.11 | length 20.4
  LYR3-SIG w0.127: v1(347.475,324.612) 349.885,324.612 352.641,321.856 359.07,321.856 359.334,321.592 359.334,320.904 359.092,320.662 359.092,320.218 359.644,319.667 359.644,319.265 358.887,318.508 v1(358.887,318.15)
  BOTTOM w0.127: RN17.2@345.366,324.46 345.376,324.47 346.654,324.47 346.796,324.612 v1(347.475,324.612) ; v1(358.887,318.15) RN22.11@358.887,319.227
EMIFB_D18: RN17.3 RN22.10 | length 20.6
  LYR3-SIG w0.127: v1(346.443,323.962) 347.248,323.962 347.259,323.972 349.763,323.972 352.92,320.815 357.833,320.815 358.379,320.269 358.379,317.939 358.648,317.67 358.648,317.627 359.156,317.119 v1(359.537,317.119)
  BOTTOM w0.127: RN17.3@345.366,323.962 v1(346.443,323.962) ; RN22.10@359.385,319.227 359.395,319.217 359.395,317.939 359.537,317.797 v1(359.537,317.119)
EMIFB_D19: RN17.4 RN22.13 | length 20.4
  LYR3-SIG w0.127: v1(347.469,323.464) 347.475,323.469 348.59,323.469 351.155,320.904 351.155,320.573 350.136,319.555 350.136,318.826 350.888,318.074 353.078,318.074 354.536,319.532 357.505,319.532 357.759,319.278 v1(357.759,318.135)
  BOTTOM w0.127: RN17.4@345.366,323.464 345.951,323.464 346.072,323.342 346.713,323.342 346.834,323.464 v1(347.469,323.464) ; v1(357.759,318.135) 357.886,318.262 357.886,319.085 357.891,319.09 RN22.13@357.891,319.227
EMIFB_D20: RN17.5 RN22.12 | length 20.6
  LYR3-SIG w0.127: v1(346.459,322.834) 347.927,322.834 349.23,321.531 349.23,319.093 350.845,317.477 353.431,317.477 354.851,318.897 356.87,318.897 357.124,318.643 357.124,318.008 358.008,317.124 v1(358.389,317.124)
  BOTTOM w0.127: RN17.5@345.366,322.966 345.503,322.966 345.509,322.961 346.332,322.961 v1(346.459,322.834) ; v1(358.389,317.124) 358.389,317.759 358.267,317.881 358.267,318.521 358.389,318.643 RN22.12@358.389,319.227
EMIFB_D21: RN17.6 RN22.15 | length 20.7
  LYR3-SIG w0.127: v1(347.475,322.326) 347.983,321.818 347.983,321.511 348.633,320.86 348.633,318.803 348.214,318.384 348.214,317.299 349.761,315.752 353.588,315.752 354.703,316.868 354.703,317.025 354.589,317.139 354.432,317.139 354.421,317.129 354.264,317.129 354.15,317.243 354.15,317.401 354.432,317.683 354.589,317.683 354.975,317.297 355.133,317.297 355.971,318.135 v1(356.616,318.135)
  BOTTOM w0.127: RN17.6@345.366,322.468 345.951,322.468 346.093,322.326 v1(347.475,322.326) ; v1(356.616,318.135) 356.616,318.491 356.895,318.77 RN22.15@356.895,319.227
EMIFB_D22: RN17.7 RN22.14 | length 20.6
  LYR3-SIG w0.127: v1(346.459,321.691) 346.471,321.678 346.471,317.32 349.1,314.691 354.823,314.691 v1(357.251,317.119)
  BOTTOM w0.127: RN17.7@345.366,321.97 345.824,321.97 346.103,321.691 v1(346.459,321.691) ; v1(357.251,317.119) 357.251,318.501 357.393,318.643 RN22.14@357.393,319.227
EMIFB_D23: RN17.8 RN22.16 | length 20.6
  LYR3-SIG w0.127: v1(347.475,321.183) 347.475,319.865 347.586,319.753 348.125,319.753 348.237,319.641 348.237,319.115 348.125,319.004 347.967,319.004 347.856,319.115 347.856,319.26 347.744,319.372 347.586,319.372 347.475,319.26 347.475,317.114 349.428,315.161 354.15,315.161 v1(356.108,317.119)
  BOTTOM w0.127: RN17.8@345.366,321.396 345.859,321.396 346.072,321.183 v1(347.475,321.183) ; v1(356.108,317.119) 356.108,318.521 356.321,318.734 RN22.16@356.321,319.227
EMIFB_D24: RN18.1 RN20.9 | length 20.5
  LYR3-SIG w0.127: v1(346.459,330.114) 345.895,329.55 345.686,329.55 345.59,329.646 345.59,329.903 345.425,330.068 345.211,330.068 345.021,329.877 345.021,329.204 344.83,329.014 344.607,329.014 344.353,329.268 344.353,330.497 344.566,330.711 349.395,330.711 352.524,333.84 356.151,333.84 v1(356.321,334.01)
  BOTTOM w0.127: RN18.1@345.366,330.114 v1(346.459,330.114) ; RN20.9@356.321,332.918 v1(356.321,334.01)
EMIFB_D25: RN18.2 RN20.10 | length 20.8
  LYR3-SIG w0.127: v1(347.475,329.692) 348.945,329.692 350.286,331.033 350.444,331.033 350.83,330.647 350.987,330.647 352.166,331.826 352.166,331.983 352.052,332.097 351.894,332.097 350.987,331.191 350.83,331.191 350.716,331.305 350.716,331.462 352.643,333.39 356.42,333.39 356.829,333.799 356.829,334.221 356.743,334.307 v1(356.743,335.026)
  BOTTOM w0.127: RN18.2@345.366,329.54 345.376,329.55 346.654,329.55 346.796,329.692 v1(347.475,329.692) ; v1(356.743,335.026) 356.743,334.348 356.885,334.206 356.885,332.928 RN20.10@356.895,332.918
EMIFB_D26: RN18.3 RN20.11 | length 20.8
  LYR3-SIG w0.127: v1(346.443,329.042) 347.248,329.042 347.259,329.052 349.839,329.052 353.121,332.334 353.926,332.334 354.038,332.445 354.038,332.603 353.926,332.715 353.233,332.715 353.121,332.826 353.121,332.984 353.233,333.096 354.307,333.096 354.419,332.984 354.419,332.445 354.531,332.334 355.056,332.334 355.6,331.79 356.492,331.79 356.735,332.034 356.735,332.191 356.349,332.577 356.349,332.735 356.555,332.941 356.713,332.941 356.827,332.826 356.827,332.643 357.007,332.463 357.165,332.463 357.393,332.692 v1(357.393,333.995)
  BOTTOM w0.127: RN18.3@345.366,329.042 v1(346.443,329.042) ; RN20.11@357.393,332.918 v1(357.393,333.995)
EMIFB_D27: RN18.4 RN20.12 | length 20.6
  LYR3-SIG w0.127: v1(347.469,328.544) 349.872,328.544 352.557,331.229 354.366,331.229 354.477,331.34 354.477,331.498 354.366,331.61 354.261,331.61 354.15,331.721 354.15,331.879 354.261,331.991 354.747,331.991 355.663,331.074 356.451,331.074 357.901,332.524 357.901,335.011 v1(357.891,335.021)
  BOTTOM w0.127: RN18.4@345.366,328.544 345.951,328.544 346.072,328.422 346.713,328.422 346.834,328.544 v1(347.469,328.544) ; RN20.12@357.891,332.918 357.891,333.502 358.013,333.624 358.013,334.264 357.891,334.386 v1(357.891,335.021)
EMIFB_D28: RN18.5 RN20.13 | length 20.8
  LYR3-SIG w0.127: v1(346.459,327.914) 346.067,328.305 345.717,328.305 345.483,328.071 345.483,327.607 345.719,327.37 346.697,327.37 347.241,327.914 349.816,327.914 352.542,330.639 356.672,330.639 358.521,332.489 v1(358.521,334.01)
  BOTTOM w0.127: RN18.5@345.366,328.046 345.503,328.046 345.509,328.041 346.332,328.041 v1(346.459,327.914) ; RN20.13@358.389,332.918 358.389,333.055 358.394,333.06 358.394,333.883 v1(358.521,334.01)
EMIFB_D29: RN18.6 RN20.14 | length 20.6
  LYR3-SIG w0.127: v1(347.475,327.406) 349.877,327.406 352.732,330.261 356.903,330.261 359.029,332.387 v1(359.029,335.026)
  BOTTOM w0.127: RN18.6@345.366,327.548 345.951,327.548 346.093,327.406 v1(347.475,327.406) ; RN20.14@358.887,332.918 358.887,333.502 359.029,333.644 v1(359.029,335.026)
EMIFB_D30: RN18.7 RN20.15 | length 20.6
  LYR3-SIG w0.127: v1(346.459,326.771) 349.796,326.771 352.852,329.827 358.783,329.827 359.664,330.708 v1(359.664,334.01)
  BOTTOM w0.127: RN18.7@345.366,327.05 345.824,327.05 346.103,326.771 v1(346.459,326.771) ; RN20.15@359.385,332.918 359.385,333.375 359.664,333.654 v1(359.664,334.01)
EMIFB_D31: RN18.8 RN20.16 | length 20.6
  LYR4-SIG w0.127: v1(347.475,326.263) 350.792,329.027 359.651,333.177 360.172,333.698 v1(360.172,335.026)
  BOTTOM w0.127: RN18.8@345.366,326.476 345.859,326.476 346.072,326.263 v1(347.475,326.263) ; RN20.16@359.959,332.918 359.959,333.411 360.172,333.624 v1(360.172,335.026)
EMIFB_RASN: R94.1 R625.2 U21.F8 U22.F8 | length 55.6
  TOP w0.127: v1(336.804,343.535) 337.439,343.535 339.598,341.376 352.044,341.376 355.473,337.947 355.473,336.169 v1(355.981,335.661)
  TOP w0.254: v2(355.417,343.441) U21.F8@355.818,343.04 ; U22.F8@355.818,323.355 v2(356.217,323.756)
  LYR8-SIG w0.102: v2(355.417,343.441) 355.44,343.441 355.824,343.057 355.824,342.24 356.108,341.955 356.108,341.63 ; v2(356.217,323.756) 356.202,323.756 355.824,324.134 355.824,324.947 357.411,326.535 357.411,330.2
  LYR8-SIG w0.127: 356.108,341.63 356.108,341.046 356.235,340.919 356.997,340.919 357.124,340.792 357.124,338.988 356.997,338.861 356.743,338.861 356.616,338.988 356.616,340.284 356.489,340.411 356.235,340.411 356.108,340.284 356.108,338.607 355.829,338.328 354.838,338.328 354.635,338.125 354.635,337.49 355.981,336.144 v1(355.981,335.661) 355.981,334.772 354.988,333.779 354.988,332.336 355.727,331.597 356.514,331.597 357.411,330.7 357.411,330.2
  BOTTOM w0.127: R94.1@335.915,343.535 v1(336.804,343.535) R625.2@337.693,343.916
EMIFB_SDCKE: R90.1 R621.2 U21.F3 U22.F3 | length 55.6
  TOP w0.127: v1(336.169,335.915) 337.566,335.915 338.201,336.55 340.462,336.55 341.224,335.788 343.129,335.788 343.357,336.017 343.357,336.55 343.916,337.109 345.338,337.109 346.659,335.788 347.98,335.788 348.234,336.042 349.936,336.042 350.622,336.728 350.977,336.728 351.663,336.042 352.882,336.042 353.339,335.585 354.152,335.585 354.457,335.89 354.457,336.804 354.33,336.931 353.822,336.931 353.695,336.804 v1(353.695,336.296)
  TOP w0.254: U22.F3@355.818,327.355 v2(356.217,327.757) ; U21.F3@355.818,347.04 v2(356.217,347.442)
  LYR7-SIG w0.102: v2(356.217,327.757) 356.217,327.769 356.616,328.168 356.616,330.2 ; v2(356.217,347.442) 356.217,345.204 356.616,344.805 356.616,342.24 357.226,341.63
  LYR7-SIG w0.127: 356.616,330.2 356.616,331.953 356.743,332.08 356.997,332.08 357.124,331.953 357.124,330.911 357.251,330.784 357.505,330.784 357.632,330.911 357.632,332.461 357.505,332.588 356.743,332.588 356.616,332.715 356.616,333.223 356.362,333.477 355.625,333.477 353.695,335.407 v1(353.695,336.296) 356.108,338.709 357.48,338.709 357.911,339.141 357.911,340.944 357.226,341.63
  BOTTOM w0.127: R90.1@335.153,335.915 v1(336.169,335.915) R621.2@337.185,335.915
EMIFB_WEN: R99.1 R630.2 U21.F9 U22.F9 | length 55.5
  TOP w0.127: v1(336.169,332.105) 337.82,332.105 338.328,331.597 339.428,331.597 340.393,332.562 340.792,332.562 341.376,331.978 342.057,331.978 342.438,332.359 343.078,332.359 343.306,332.13 343.306,331.622 343.611,331.318 345.084,331.318 346.126,332.359 346.629,332.359 347.264,332.994 348.361,332.994 349.098,333.731 351.866,333.731 352.781,334.645 353.339,334.645 354.254,333.731 354.66,333.731 354.838,333.908 v1(354.838,335.026)
  TOP w0.254: v2(355.417,322.956) U22.F9@355.818,322.555 ; v2(355.417,342.641) U21.F9@355.818,342.24
  LYR8-SIG w0.102: v2(355.417,322.956) 355.023,323.35 355.023,324.721 355.417,325.115 355.417,326.106 356.624,327.312 356.624,330.2 ; 355.417,341.63 v2(355.417,342.641)
  LYR8-SIG w0.127: 355.417,341.63 355.417,341.574 355.117,341.274 354.355,341.274 354.101,341.02 354.101,340.512 354.228,340.385 355.422,340.385 355.549,340.258 355.549,340.004 355.422,339.877 354.228,339.877 354.101,339.75 354.101,339.496 354.228,339.369 355.397,339.369 355.524,339.242 355.524,338.988 355.397,338.861 354.228,338.861 354.101,338.734 354.101,338.099 353.746,337.744 353.746,337.236 354.838,336.144 v1(354.838,335.026) 354.203,334.391 354.203,332.334 355.6,330.937 356.311,330.937 356.624,330.624 356.624,330.2
  BOTTOM w0.127: R99.1@335.153,332.105 v1(336.169,332.105) R630.2@337.185,332.105
EMIFB_WEN_DQM0: R95.1 R626.2 U21.E8 | length 55.4
  TOP w0.254: v2(356.217,343.441) U21.E8@356.619,343.04
  LYR3-SIG w0.102: v2(356.217,343.441) 356.616,343.042 356.616,342.011 356.235,341.63
  LYR3-SIG w0.127: v1(336.169,333.375) 336.253,333.459 336.42,333.459 337.073,332.806 339.367,332.806 340.825,334.264 342.087,334.264 342.453,334.63 344.714,334.63 345.592,335.509 345.592,340.589 345.465,340.716 345.211,340.716 345.084,340.589 345.084,335.788 344.957,335.661 344.703,335.661 344.576,335.788 344.576,340.944 345.008,341.376 346.428,341.376 346.555,341.249 346.555,339.903 346.682,339.776 346.936,339.776 347.063,339.903 347.063,341.249 347.19,341.376 347.444,341.376 347.571,341.249 347.571,339.903 347.698,339.776 347.952,339.776 348.079,339.903 348.079,341.249 348.206,341.376 348.46,341.376 348.587,341.249 348.587,339.903 348.714,339.776 348.968,339.776 349.095,339.903 349.095,341.249 349.222,341.376 349.476,341.376 349.603,341.249 349.603,339.903 349.73,339.776 349.984,339.776 350.111,339.903 350.111,341.249 350.238,341.376 355.981,341.376 356.235,341.63
  BOTTOM w0.127: R95.1@335.153,333.375 v1(336.169,333.375) R626.2@337.185,333.375
EMIFB_WEN_DQM1: R96.1 R627.2 U21.F1 | length 55.5
  TOP w0.127: v1(336.169,338.455) 336.931,339.217 336.931,340.385 336.677,340.639 335.28,340.639 335.026,340.893 335.026,345.669 335.432,346.075 340.309,346.075 340.436,345.948 340.436,345.694 340.309,345.567 335.813,345.567 335.686,345.44 335.686,345.186 335.813,345.059 340.868,345.059 340.995,345.186 340.995,345.948 341.122,346.075 348.132,346.075 348.259,346.202 348.259,348.488 348.386,348.615 351.917,348.615 352.044,348.488 v1(352.044,346.075)
  TOP w0.254: v2(355.417,349.042) U21.F1@355.818,348.64
  LYR8-SIG w0.102: v2(355.417,349.042) 355.417,349.885
  LYR8-SIG w0.127: v1(352.044,346.075) 351.18,346.075 351.053,346.202 351.053,350.088 351.409,350.444 355.041,350.444 355.417,350.068 355.417,349.885
  BOTTOM w0.127: R96.1@335.153,338.455 v1(336.169,338.455) R627.2@337.185,338.455
EMIFB_WEN_DQM2: R97.1 R628.2 U22.E8 | length 55.5
  TOP w0.127: v1(336.169,339.725) 335.128,339.725 335.001,339.598 335.001,330.454 335.128,330.327 336.652,330.327 337.795,329.184 339.778,329.184 339.905,329.057 339.905,328.803 339.778,328.676 336.347,328.676 336.22,328.549 336.22,328.295 336.347,328.168 340.286,328.168 340.413,328.295 340.413,329.057 340.54,329.184 341.843,329.184 342.224,329.565 346.735,329.565 347.116,329.184 347.983,329.184 348.11,329.057 348.11,327.508 348.237,327.381 348.491,327.381 348.618,327.508 348.618,329.057 348.745,329.184 348.999,329.184 349.126,329.057 349.126,327.508 349.253,327.381 349.507,327.381 349.634,327.508 349.634,329.057 349.761,329.184 350.901,329.184 351.155,328.93 v1(351.155,326.517)
  TOP w0.254: U22.E8@356.619,323.355 v2(357.017,323.756)
  LYR3-SIG w0.102: 352.679,325.501 355.981,325.501 356.616,324.866 356.616,324.157 v2(357.017,323.756)
  LYR3-SIG w0.127: v1(351.155,326.517) 352.171,325.501 352.679,325.501
  BOTTOM w0.127: R97.1@335.153,339.725 v1(336.169,339.725) R628.2@337.185,339.725
EMIFB_WEN_DQM3: R98.1 R629.2 U22.F1 | length 55.7
  TOP w0.127: v1(336.804,342.265) 337.337,342.265 337.464,342.138 337.464,341.556 337.591,341.429 338.074,341.429 338.201,341.302 338.201,341.048 338.074,340.921 337.591,340.921 337.464,340.794 337.464,340.54 337.591,340.413 338.074,340.413 338.201,340.286 338.201,340.032 338.074,339.905 337.591,339.905 337.464,339.778 337.464,338.379 337.591,338.252 338.328,338.252 338.531,338.455 338.531,338.836 338.709,339.014 340.893,339.014 341.02,339.141 341.02,340.741 341.147,340.868 349.225,340.868 349.352,340.741 349.352,340.487 349.225,340.36 343.383,340.36 343.256,340.233 343.256,339.979 343.383,339.852 349.733,339.852 349.86,339.979 349.86,340.741 349.987,340.868 351.511,340.868 351.765,340.614 351.765,338.861 352.024,338.602 353.418,338.602 353.822,338.201 353.822,337.668 352.908,336.753 v1(351.917,336.753)
  TOP w0.254: v2(355.417,329.357) U22.F1@355.818,328.955
  LYR7-SIG w0.102: v2(355.417,329.357) 355.417,330.2
  LYR7-SIG w0.127: v1(351.917,336.753) 351.917,336.133 351.663,335.879 351.663,334.137 355.417,330.383 355.417,330.2
  BOTTOM w0.127: R98.1@335.915,342.265 v1(336.804,342.265) R629.2@337.693,342.646

## Text inside footprints (layer, text, board x,y; h text height)
R166: PIN_NUMBER "1" at 392.735,290.957 h0.51 r270; PIN_NUMBER "2" at 392.735,291.973 h0.51 r270; ASSEMBLY_BOTTOM "NO-POP" at 392.938,291.465 h0.64 r270; ASSEMBLY_BOTTOM "TOLERANCE" at 390.398,291.465 h0.64 r270; ASSEMBLY_BOTTOM "USERPART#" at 389.128,291.465 h0.64 r270; SYMBOL_PART_DIM "PAD 35X32 OV" at 388.163,288.341 h0.64 r270; SYMBOL_PART_DIM "C402-35X32" at 389.433,288.341 h0.64 r270; SYMBOL_PART_DIM "0" at 390.804,291.262 h0.64 r270; SYMBOL_PART_DIM "0" at 392.608,289.128 h0.64 r270
R167: PIN_NUMBER "1" at 382.067,290.322 h0.51 r270; PIN_NUMBER "2" at 382.067,291.338 h0.51 r270; ASSEMBLY_BOTTOM "10K" at 382.27,290.83 h0.64 r270; ASSEMBLY_BOTTOM "1%" at 379.73,290.83 h0.64 r270; ASSEMBLY_BOTTOM "USERPART#" at 378.46,290.83 h0.64 r270; SYMBOL_PART_DIM "PAD 35X32 OV" at 377.495,287.706 h0.64 r270; SYMBOL_PART_DIM "C402-35X32" at 378.765,287.706 h0.64 r270; SYMBOL_PART_DIM "0" at 380.136,290.627 h0.64 r270; SYMBOL_PART_DIM "0" at 381.94,288.493 h0.64 r270
R168: PIN_NUMBER "1" at 380.797,290.322 h0.51 r270; PIN_NUMBER "2" at 380.797,291.338 h0.51 r270; ASSEMBLY_BOTTOM "10K" at 381,290.83 h0.64 r270; ASSEMBLY_BOTTOM "1%" at 378.46,290.83 h0.64 r270; ASSEMBLY_BOTTOM "USERPART#" at 377.19,290.83 h0.64 r270; SYMBOL_PART_DIM "PAD 35X32 OV" at 376.225,287.706 h0.64 r270; SYMBOL_PART_DIM "C402-35X32" at 377.495,287.706 h0.64 r270; SYMBOL_PART_DIM "0" at 378.866,290.627 h0.64 r270; SYMBOL_PART_DIM "0" at 380.67,288.493 h0.64 r270
R169: PIN_NUMBER "1" at 366.954,304.165 h0.51 r180; PIN_NUMBER "2" at 367.97,304.165 h0.51 r180; ASSEMBLY_BOTTOM "10K" at 367.665,304.165 h0.64 r180; ASSEMBLY_BOTTOM "TOLERANCE" at 367.665,306.705 h0.64 r180; ASSEMBLY_BOTTOM "USERPART#" at 367.665,307.975 h0.64 r180; SYMBOL_PART_DIM "PAD 35X32 OV" at 364.541,308.94 h0.64 r180; SYMBOL_PART_DIM "C402-35X32" at 364.541,307.67 h0.64 r180; SYMBOL_PART_DIM "0" at 367.462,306.299 h0.64 r180; SYMBOL_PART_DIM "0" at 365.328,304.495 h0.64 r180
R170: PIN_NUMBER "2" at 361.671,306.705 h1.02 r180; PIN_NUMBER "1" at 360.147,306.705 h1.02 r180; SYMB_DIM "0" at 357.632,307.213 h1.02 r180; SYMB_DIM "0" at 360.807,310.261 h1.02 r180; SYMB_DIM "R603-35X45" at 355.981,301.879 h1.02 r180; SYMB_DIM "SP  35X45OV" at 366.014,308.102 h1.02 r180; SYMB_DIM "SM  43X53OV" at 366.014,306.324 h1.02 r180; SYMB_DIM "PAD 35X45OV" at 366.014,304.8 h1.02 r180; ASSEMBLY_BOTTOM "X" at 362.331,307.086 h1.02 r180; ASSEMBLY_BOTTOM "X" at 361.442,307.086 h1.02 r180; ASSEMBLY_BOTTOM "NO POP" at 360.68,307.086 h1.02 r180